# Altium PCB LimeKEY-RPCM_1v1.PcbDoc (part 3 of 8) (continued)
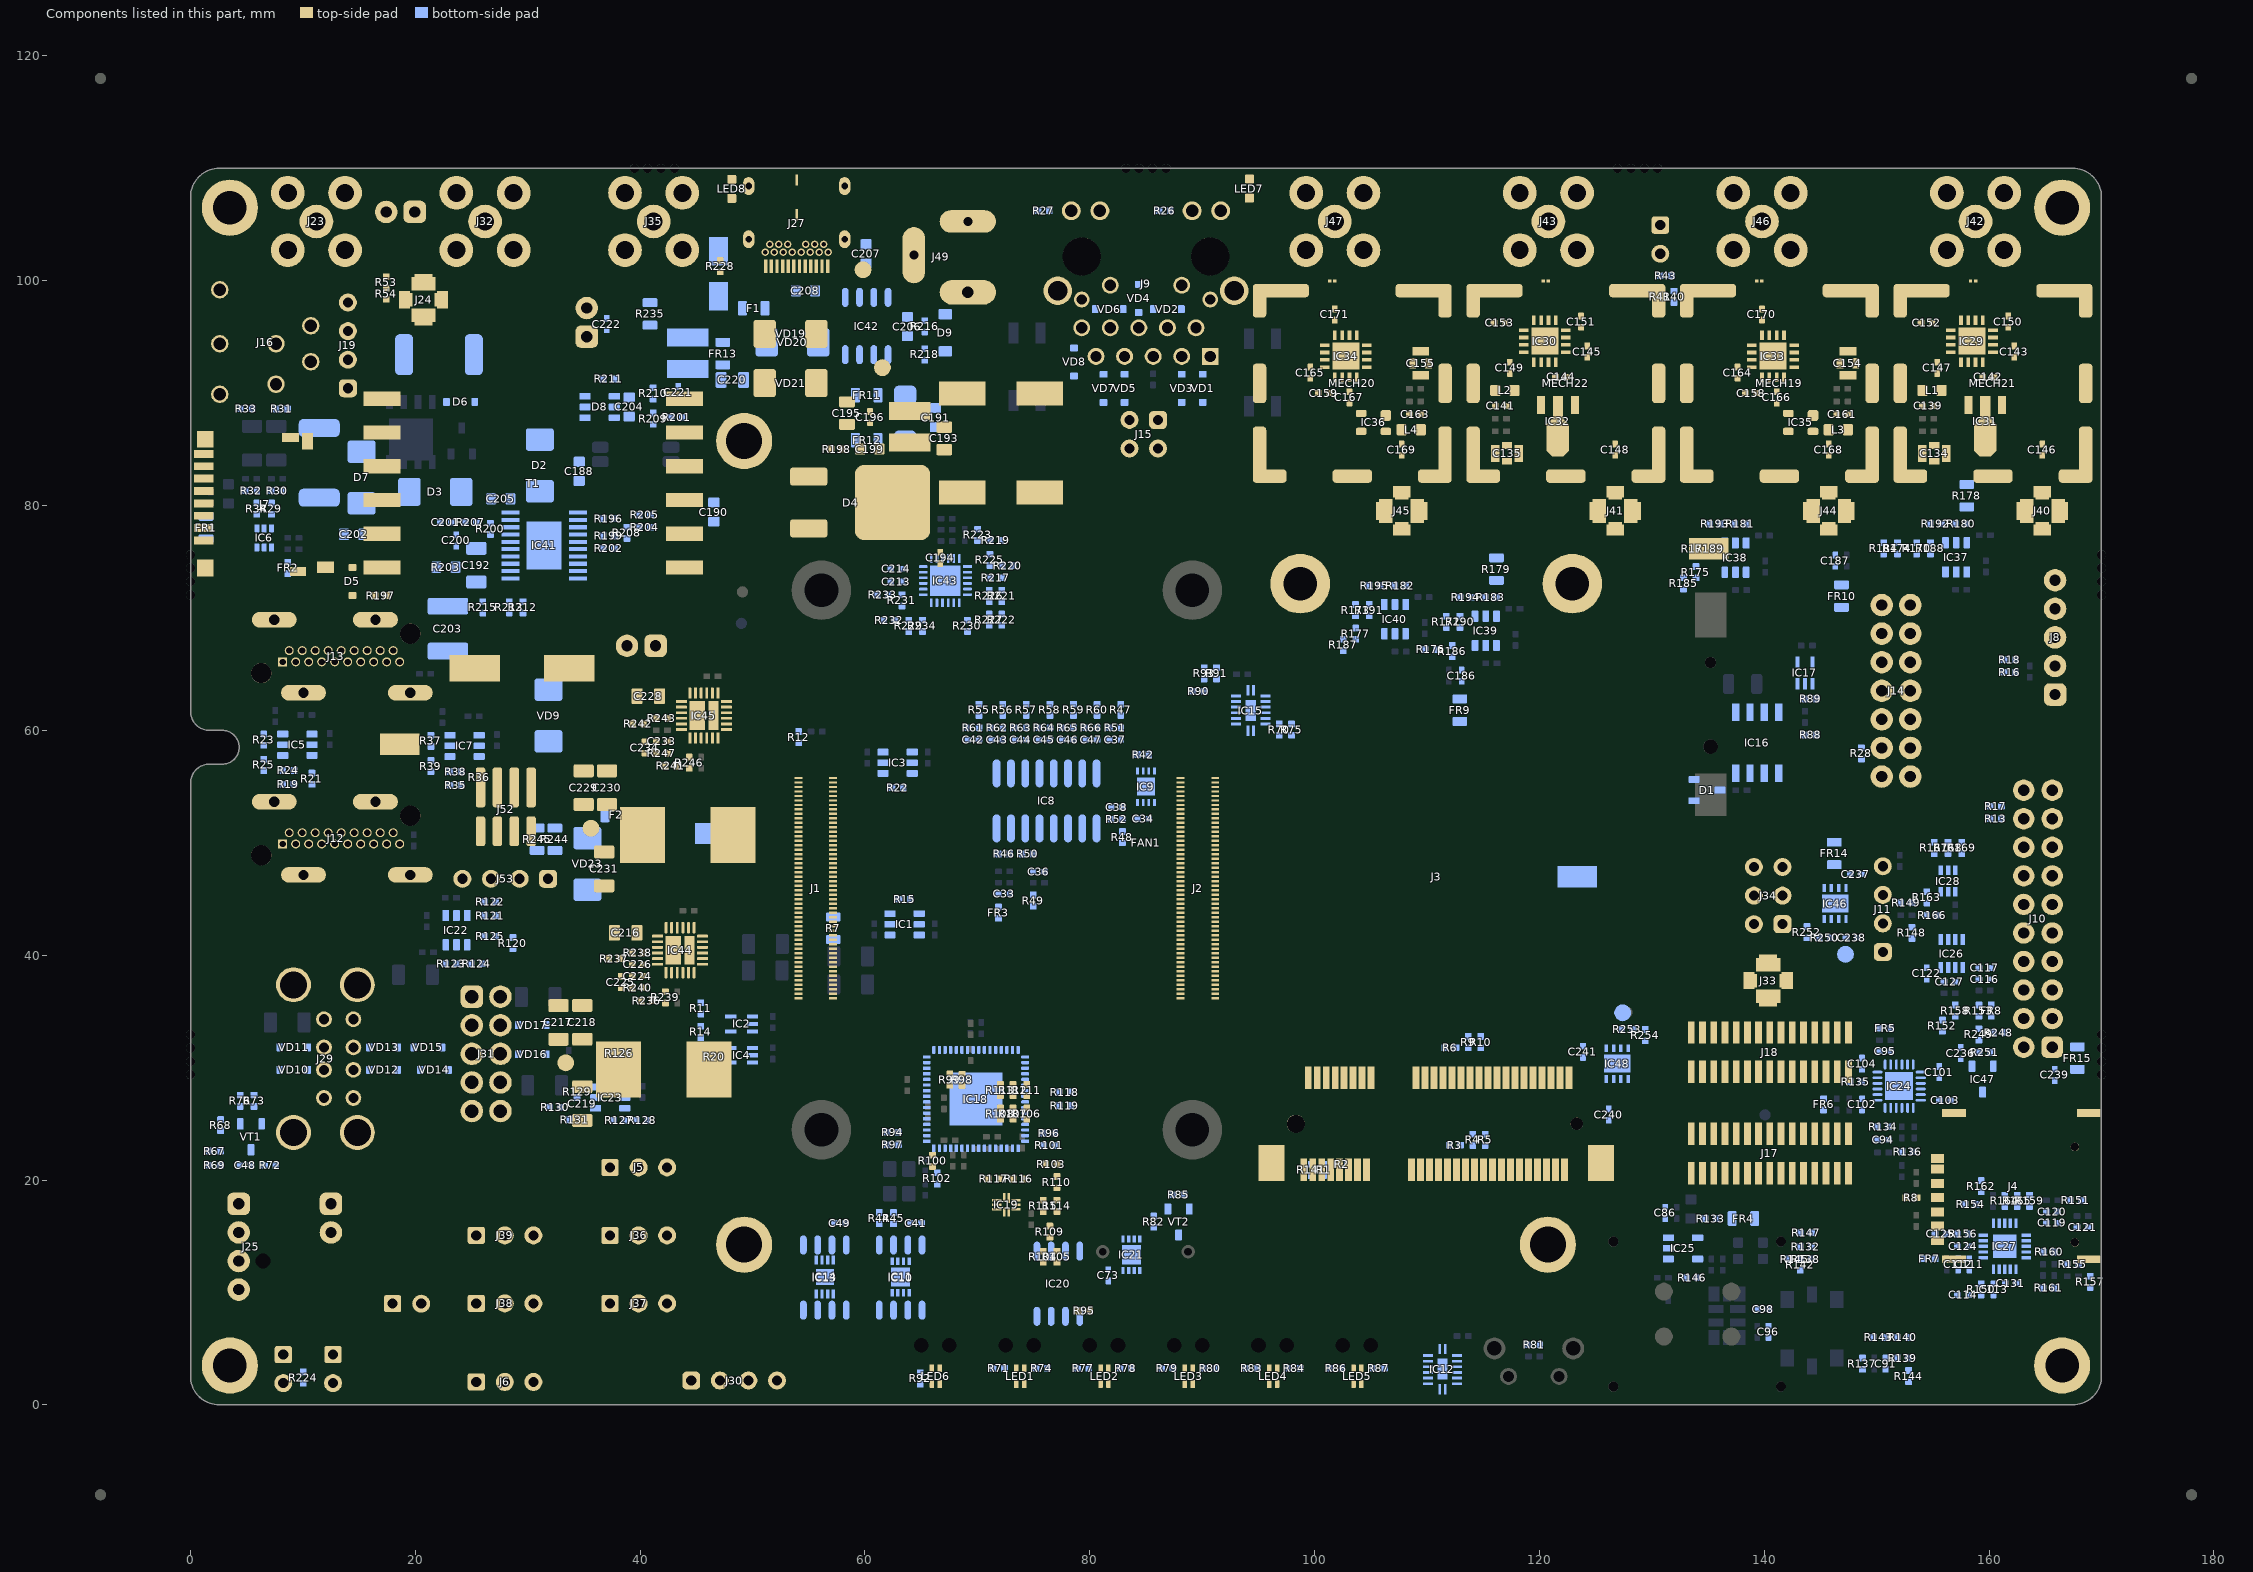
[diagram p7: the components of this part, seen from the top]
## Part data (continued)
C217 C218 C229 C230: library part Cap_1206, Manufacturer="Samsung Electro-Mechanics", Manufacturer Part Number=CL31A476MQHNNNE, Operating Temperature="-55°C ~ 85°C", Package / Case="1206 (3216 Metric)", Ratings=-, Supplier Part Number 1=1276-1167-1-ND, Temperature Coefficient=X5R, Tolerance=±20%, Voltage - Rated=6.3V, Applications="General Purpose", Category=Capacitors, Features=-, Height - Seated (Max)=-, Lead Spacing=-, Lead Style=-, Manufacturer Part Number 1=CL31A476MQHNNNE, Mounting Type="Surface Mount, MLCC", Notification="Current market demand for these product types have resulted in fluctuating and extending lead times. Lead times may differ.", Packaging="Cut Tape (CT)", Part Description="47µF ±20% 6.3V Ceramic Capacitor X5R 1206 (3216 Metric)", Part Status=Active, RoHS="RoHS Compliant", Size / Dimension="0.126\" L x 0.063\" W (3.20mm x 1.60mm)", Supplier 1=Digi-Key, Thickness (Max)="0.071\" (1.80mm)"
  C230: Assembly Info=NF
C219 C231: library part Cap_1206, Capacitance Tolerance="± 20%", Ceramic Capacitor Case="1206 [3216 Metric]", Manufacturer=MURATA, Manufacturer Part Number 1=GRM31CR60J107ME39L., Supplier Part Number 1=1735535, Voltage Rating=6.3, Assembly Info=NF, Part Description="SMD Multilayer Ceramic Capacitor, 1206 [3216 Metric], 100 µF, 6.3 V, ± 20%, X5R, GRM Series", Supplier 1=Farnell
C224: library part Cap_0402, Capacitance=4.7, Capacitance Tolerance="± 0.25", Ceramic Capacitor Case="0402 [1005 Metric]", Dielectric Characteristic="C0G / NP0", Manufacturer="Murata Electronics North America", Manufacturer Part Number 1=GRM1555C1H4R7CA01D, Operating Temperature Max=125, Operating Temperature Min=-55, Supplier Part Number 1=2434644, Voltage Rating=50, MSL="MSL 1 - Unlimited", Packaging="Cut Tape", Part Description="4.7pF ±0.25pF 50V C0G, NP0 Ceramic Capacitor -55°C ~ 125°C Surface Mount, MLCC 0402 (1005 Metric) 0.039\" L x 0.020\" W (1.00mm x 0.50mm)", Product Range="GRM Series", RoHS=YES, Supplier 1=Farnell, SVHC="No SVHC (15-Jun-2015"
C225 C234: library part Cap_0402, Capacitance=1200pF, Manufacturer=Kemet, Manufacturer Part Number 1=C0402C122J5GACTU, Operating Temperature="-55°C ~ 125°C", Package / Case="0402 (1005 Metric)", Ratings=-, Supplier Part Number 1=399-7334-1-ND, Temperature Coefficient="C0G, NP0", Tolerance=±5%, Voltage - Rated=50V, Applications="General Purpose", Category=Capacitors, Features=-, Height - Seated (Max)=-, Lead Spacing=-, Lead Style=-, Mounting Type="Surface Mount, MLCC", Packaging="Cut Tape (CT)", RoHS="RoHS Compliant", Size / Dimension="0.039\" L x 0.020\" W (1.00mm x 0.50mm)", Supplier 1=Digi-Key, Thickness (Max)="0.022\" (0.55mm)"
  C225: Part Description="1200pF ±5% 50V C0G, NP0 Ceramic Capacitor -55°C ~ 125°C Surface Mount, MLCC 0402 (1005 Metric) 0.039\" L x 0.020\" W (1.00mm x 0.50mm)"
  C234: Part Description="1200pF ±5% 50V Ceramic Capacitor C0G, NP0 0402 (1005 Metric)"
C233: library part Cap_0402, Capacitance=2.2pF, Manufacturer="Samsung Electro-Mechanics America, Inc.", Manufacturer Part Number 1=CL05C2R2CB5NNNC, Operating Temperature="-55°C ~ 125°C", Package / Case="0402 (1005 Metric)", Ratings=-, Supplier Part Number 1=1276-1271-1-ND, Temperature Coefficient="C0G, NP0", Tolerance=±0.25pF, Voltage - Rated=50V, Applications="General Purpose", Category=Capacitors, Features=-, Height - Seated (Max)=-, Lead Spacing=-, Lead Style=-, Mounting Type="Surface Mount, MLCC", Packaging="Cut Tape (CT)", Part Description="2.2pF ±0.25pF 50V Ceramic Capacitor C0G, NP0 0402 (1005 Metric)", RoHS="RoHS Compliant", Size / Dimension="0.039\" L x 0.020\" W (1.00mm x 0.50mm)", Supplier 1=Digi-Key, Thickness (Max)="0.022\" (0.55mm)"
C236: library part Cap_0603, Capacitance="0.1 uF", Case Code - in=0402, Case Code - mm=1005, Case Height="0.5 mm", Case Length="1 mm", Dielectric=X7R, Manufacturer="Murata Electronics", Manufacturer Part Number 1=GRM155R71C104KA88D, Maximum Operating Temperature="+ 125 C", Minimum Operating Temperature="- 55 C", Operating Temperature Range="- 55 C to + 125 C", Package / Case="0402 (1005 metric)", Supplier Part Number 1=81-GRM155R71C104KA88, Temperature Coefficient / Code="+/- 15 %", Tolerance="10 %", Voltage Rating DC="16 V", Assembly Info=NF, Brand="Murata Electronics", Case Width="0.5 mm", Category="Multilayer Ceramic Capacitors MLCC - SMD/SMT", Minimum Order Quantity=1, Packaging=Reel, Part Description="0.10µF ±10% 16V X7R Ceramic Capacitor -55°C ~ 125°C Surface Mount, MLCC 0402 (1005 Metric) 0.039\" L x 0.020\" W (1.00mm x 0.50mm)", Product="General Type MLCCs", Product Category="Low & Medium Capacitance SMD Ceramic Chip Capacitors", Reeling=True, RoHS="RoHS Compliant", RoHS - Mouser=Y, Series=GRM, Standard Pack Qty=10000, Supplier 1=Mouser, Termination Style=SMD/SMT, Type="General Purpose MLCC"
C237 C238 C239 C240 C241: library part Cap_0402, Capacitance=4.7µF, Manufacturer="Murata Electronics North America", Manufacturer Part Number 1=GRM155R60J475ME87D, Operating Temperature="-55°C ~ 85°C", Package / Case="0402 (1005 Metric)", Ratings=-, Supplier Part Number 1=490-5408-1-ND, Temperature Coefficient=X5R, Tolerance=±20%, Voltage - Rated=6.3V, Applications="General Purpose", Category=Capacitors, Features="Derating Recommended", Height - Seated (Max)=-, Lead Spacing=-, Lead Style=-, Mounting Type="Surface Mount, MLCC", Packaging="Cut Tape (CT)", Part Description="4.7µF ±20% 6.3V X5R Ceramic Capacitor -55°C ~ 85°C Surface Mount, MLCC 0402 (1005 Metric) 0.039\" L x 0.020\" W (1.00mm x 0.50mm)", RoHS="RoHS Compliant", Size / Dimension="0.039\" L x 0.020\" W (1.00mm x 0.50mm)", Supplier 1=Digi-Key, Thickness (Max)="0.022\" (0.55mm)"
  C239: Assembly Info=NF
D1: library part BAT54C_shottky_diode, Average Rectified Current=200mA, Case/Package=TO-236-3, Manufacturer=Comchip, Manufacturer Part Number 1=BAT54C-G, Max Power Dissipation=225mW, Max Reverse Voltage (DC)=30V, Package Quantity=1, Supplier Part Number 1=641-1320-1-ND, ComponentLink1Description=http://www.farnell.com/datasheets/1918741.pdf, ComponentLink1URL=http://www.farnell.com/datasheets/1918741.pdf, ComponentLink2Description=http://www.farnell.com/datasheets/2353871.pdf, ComponentLink2URL=http://www.farnell.com/datasheets/2353871.pdf, ComponentLink3Description=https://www.alliedelec.com/m/d/272158a697e3f24d20806a718aa29d59.pdf, ComponentLink3URL=https://www.alliedelec.com/m/d/272158a697e3f24d20806a718aa29d59.pdf, ComponentLink4Description=http://www.onsemi.com/pub/Collateral/BAT54SLT1-D.PDF, ComponentLink4URL=http://www.onsemi.com/pub/Collateral/BAT54SLT1-D.PDF, ComponentLink5Description=https://datasheet.ciiva.com/4717/bat54-9536-4717410.pdf?src-supplier=Mouser, ComponentLink5URL=https://datasheet.ciiva.com/4717/bat54-9536-4717410.pdf?src-supplier=Mouser, ComponentLink6Description=https://datasheet.ciiva.com/904/bat54-904630.pdf?src-supplier=Digi-Key, ComponentLink6URL=https://datasheet.ciiva.com/904/bat54-904630.pdf?src-supplier=Digi-Key, ComponentLink7Description=https://datasheet.ciiva.com/904/bat54-904631.pdf?src-supplier=Digi-Key, ComponentLink7URL=https://datasheet.ciiva.com/904/bat54-904631.pdf?src-supplier=Digi-Key, ComponentLink8Description=https://datasheet.ciiva.com/904/bat54-904632.pdf?src-supplier=Digi-Key, ComponentLink8URL=https://datasheet.ciiva.com/904/bat54-904632.pdf?src-supplier=Digi-Key, Element Configuration="Common Cathode", Mount="Surface Mount", Packaging="Tape and Reel", Part Description="Diode Array 1 Pair Common Cathode Schottky 30 V 200mA (DC) Surface Mount TO-236-3, SC-59, SOT-23-3", Pricing 1="1=0,23000, 10=0,18500, 100=0,09830, 500=0,06468, 1000=0,04399 (USD)", Recovery Time=5ns, Reverse Recovery Time=5ns, RoHS=Yes, Stock 1=764277, Supplier 1=Digi-Key
D2: library part MMSZ5245B_shottky_diode, Breakdown Voltage=111V, Case/Package=DO-214AA, Clamping Voltage=162V, Leakage Current=1uA, Manufacturer=Littelfuse, Max Operating Temperature=150°C, Max Surge Current=3.7A, Min Operating Temperature=-65°C, Operating Supply Voltage=100V, Package Quantity=3000, Peak Pulse Power=600W, Power Line Protection=No, Resistor Type=Zener, Supplier Part Number 1=SMBJ100ALFCT-ND, Test Current=1mA, ComponentLink1Description=http://www.mouser.com/ds/2/427/mmsz5225-102133.pdf, ComponentLink1URL=http://www.mouser.com/ds/2/427/mmsz5225-102133.pdf, ComponentLink2Description=https://datasheet.ciiva.com/331/littelfuse-tvs-diode-smbj-datasheet-pdf-331299.pdf?src-supplier=Digi-Key, ComponentLink2URL=https://datasheet.ciiva.com/331/littelfuse-tvs-diode-smbj-datasheet-pdf-331299.pdf?src-supplier=Digi-Key, ComponentLink3Description=https://datasheet.ciiva.com/331/littelfuse-tvs-diode-smbj-datasheet-pdf-331300.pdf?src-supplier=Digi-Key, ComponentLink3URL=https://datasheet.ciiva.com/331/littelfuse-tvs-diode-smbj-datasheet-pdf-331300.pdf?src-supplier=Digi-Key, ComponentLink4Description=https://datasheet.ciiva.com/331/littelfuse-tvs-diode-smbj-datasheet-pdf-331301.pdf?src-supplier=Digi-Key, ComponentLink4URL=https://datasheet.ciiva.com/331/littelfuse-tvs-diode-smbj-datasheet-pdf-331301.pdf?src-supplier=Digi-Key, Diode Type=ZENER, Height=2.44mm, Lead Free="Lead Free", Length=5.59mm, Manufacturer Part Number 1=SMBJ100A, Min Breakdown Voltage=111V, Mount="Surface Mount", Number of Channels=1, Number of Elements=1, Number of Pins=2, Number of Unidirectional Channels=1, Packaging="Tape and Reel", Part Description="ESD Suppressors / TVS Diodes 600W 100V 5% Uni-Directional", Peak Pulse Current=3.7A, Polarity=Unidirectional, Pricing 1="1=0,36000, 10=0,29300, 100=0,19970, 500=0,14980, 1000=0,11236 (USD)", Reverse Breakdown Voltage=111V, Reverse Standoff Voltage=100V, RoHS=Yes, RoHS Compliant=Yes, Series=SMBJ, Stock 1=13675, Supplier 1=Digi-Key, Termination=SMD/SMT, Voltage Rating (DC)=100V, Width=3.94mm
D3 D7: library part MURA120T3G_diode, Average Rectified Current=2A, Manufacturer=MCC, Max Reverse Voltage (DC)=200V, Package Quantity=3000, Supplier Part Number 1=353-ER2D-LTPCT-ND, ComponentLink1Description=http://www.mouser.com/ds/2/427/mmsz5225-102133.pdf, ComponentLink1URL=http://www.mouser.com/ds/2/427/mmsz5225-102133.pdf, ComponentLink2Description=http://www.onsemi.com/pub/Collateral/MMSD4148T1-D.PDF, ComponentLink2URL=http://www.onsemi.com/pub/Collateral/MMSD4148T1-D.PDF, ComponentLink3Description=http://www.farnell.com/datasheets/1707241.pdf, ComponentLink3URL=http://www.farnell.com/datasheets/1707241.pdf, ComponentLink4Description=https://www.verical.com/server-webapp/html/getDatasheet?partID=78734, ComponentLink4URL=https://www.verical.com/server-webapp/html/getDatasheet?partID=78734, ComponentLink5Description=http://www.onsemi.com/pub/Collateral/MURA115T3-D.PDF, ComponentLink5URL=http://www.onsemi.com/pub/Collateral/MURA115T3-D.PDF, ComponentLink6Description=http://www.jameco.com/Jameco/Products/ProdDS/1100812.pdf, ComponentLink6URL=http://www.jameco.com/Jameco/Products/ProdDS/1100812.pdf, ComponentLink7Description=http://uk.rs-online.com/webdocs/1221/0900766b812212fb.pdf, ComponentLink7URL=http://uk.rs-online.com/webdocs/1221/0900766b812212fb.pdf, ComponentLink8Description=http://www.farnell.com/datasheets/1750742.pdf, ComponentLink8URL=http://www.farnell.com/datasheets/1750742.pdf, ComponentLink9Description=https://datasheet.ciiva.com/6369/er2a-ler2j-ldo-214aa-6369821.pdf?src-supplier=Digi-Key, ComponentLink9URL=https://datasheet.ciiva.com/6369/er2a-ler2j-ldo-214aa-6369821.pdf?src-supplier=Digi-Key, Element Configuration=Single, Lead Free="Lead Free", Manufacturer Part Number 1=ER2D-LTP, Mount="Surface Mount", Packaging="Tape and Reel", Part Description="DIODE GEN PURP 200V 2A DO214AA", Pricing 1="1=0,45000, 10=0,33600, 100=0,20900, 500=0,14300, 1000=0,11000 (USD)", Reverse Recovery Time=35ns, RoHS=Yes, RoHS Compliant=Yes, Series=-, Stock 1=4206, Supplier 1=Digi-Key
D4: library part 12CWQ06FN_diode_array, Manufacturer="Sangdest Microelectronics", Supplier Part Number 1=1655-12CWQ06FNCT-ND, Manufacturer Part Number 1=12CWQ06FN, Part Description="Diode Array 1 Pair Common Cathode Schottky 60 V Surface Mount TO-252-3, DPak (2 Leads + Tab), SC-63", Pricing 1="1=0,70000, 10=0,61700, 100=0,47270, 500=0,37364, 1000=0,29892 (USD)", RoHS=No, Stock 1=56408, Supplier 1=Digi-Key
D5 D6: library part MURA120T3G_diode, Manufacturer=Nexperia, Manufacturer Part Number 1=BAS316,115, Supplier Part Number 1=1727-4309-1-ND, ComponentLink1Description=http://www.mouser.com/ds/2/427/mmsz5225-102133.pdf, ComponentLink1URL=http://www.mouser.com/ds/2/427/mmsz5225-102133.pdf, ComponentLink2Description=http://www.onsemi.com/pub/Collateral/MMSD4148T1-D.PDF, ComponentLink2URL=http://www.onsemi.com/pub/Collateral/MMSD4148T1-D.PDF, ComponentLink3Description=http://www.farnell.com/datasheets/1707241.pdf, ComponentLink3URL=http://www.farnell.com/datasheets/1707241.pdf, ComponentLink4Description=https://www.verical.com/server-webapp/html/getDatasheet?partID=78734, ComponentLink4URL=https://www.verical.com/server-webapp/html/getDatasheet?partID=78734, ComponentLink5Description=http://www.onsemi.com/pub/Collateral/MURA115T3-D.PDF, ComponentLink5URL=http://www.onsemi.com/pub/Collateral/MURA115T3-D.PDF, ComponentLink6Description=http://www.jameco.com/Jameco/Products/ProdDS/1100812.pdf, ComponentLink6URL=http://www.jameco.com/Jameco/Products/ProdDS/1100812.pdf, ComponentLink7Description=http://uk.rs-online.com/webdocs/1221/0900766b812212fb.pdf, ComponentLink7URL=http://uk.rs-online.com/webdocs/1221/0900766b812212fb.pdf, ComponentLink8Description=http://www.farnell.com/datasheets/1750742.pdf, ComponentLink8URL=http://www.farnell.com/datasheets/1750742.pdf, ComponentLink9Description=http://www.farnell.com/datasheets/1856332.pdf?src-supplier=Farnell, ComponentLink9URL=http://www.farnell.com/datasheets/1856332.pdf?src-supplier=Farnell, ComponentLink10Description=https://assets.nexperia.com/documents/data-sheet/BAS16_SER.pdf?src-supplier=Digi-Key, ComponentLink10URL=https://assets.nexperia.com/documents/data-sheet/BAS16_SER.pdf?src-supplier=Digi-Key, ComponentLink11Description=http://www.farnell.com/datasheets/1856332.pdf?src-supplier=Newark, ComponentLink11URL=http://www.farnell.com/datasheets/1856332.pdf?src-supplier=Newark, Part Description="DIODE GEN PURP 100V 250MA SOD323", Pricing 1="1=0,16000, 10=0,14200, 100=0,07710, 500=0,04744, 1000=0,03234 (USD)", RoHS=Yes, RoHS Compliant=Yes, Stock 1=163548, Supplier 1=Digi-Key
D8: library part NCP431AVSNT1GOSCT_VREF, Case/Package=SOT-23-3, Cathode Current=60uA, Manufacturer="ON Semiconductor", Max Input Voltage=2.525V, Max Operating Temperature=125°C, Max Output Current=100mA, Max Output Voltage=36V, Min Input Voltage=2.475V, Min Operating Temperature=-40°C, Min Output Voltage=2.5V, Package Quantity=3000, Supplier Part Number 1=NCP431AVSNT1GOSCT-ND, Temperature Coefficient=50ppm/°C, Tolerance=1%, ComponentLink1Description=https://datasheet.ciiva.com/8132/ncp431-d-8132432.pdf?src-supplier=Avnet, ComponentLink1URL=https://datasheet.ciiva.com/8132/ncp431-d-8132432.pdf?src-supplier=Avnet, ComponentLink2Description=https://datasheet.ciiva.com/30476/0900766b8121bbe3-30476322.pdf?src-supplier=RSComponents, ComponentLink2URL=https://datasheet.ciiva.com/30476/0900766b8121bbe3-30476322.pdf?src-supplier=RSComponents, ComponentLink3Description=https://datasheet.ciiva.com/49020/70300496-49020892.pdf?src-supplier=Allied+Electronics, ComponentLink3URL=https://datasheet.ciiva.com/49020/70300496-49020892.pdf?src-supplier=Allied+Electronics, Halogen Free="Halogen Free", Height=1.01mm, Lead Free="Lead Free", Length=3.04mm, Manufacturer Part Number 1=NCP431AVSNT1G, Number of Pins=3, Output Current=100mA, Output Type=Adjustable, Output Voltage=36V, Packaging="Tape and Reel", Part Description="Shunt Voltage Reference IC Adjustable 2.5V 36 VV ±1% 100 mA SOT-23-3 (TO-236)", Pricing 1="1=0,44000, 10=0,35700, 25=0,32640, 100=0,24290, 250=0,22008, 500=0,18216, 1000=0,13661 (USD)", Radiation Hardening=No, REACH SVHC="No SVHC", Reference Type=Shunt,Adjustable,Programmable, Reference Voltage=2.5V, RoHS=Yes, Stock 1=4600, Supplier 1=Digi-Key, Width=1.4mm
D9: library part MMSZ5245B_shottky_diode, Manufacturer=Nexperia, Manufacturer Part Number 1=NZH10C,115, Supplier Part Number 1=1727-5057-1-ND, ComponentLink1Description=http://www.mouser.com/ds/2/427/mmsz5225-102133.pdf, ComponentLink1URL=http://www.mouser.com/ds/2/427/mmsz5225-102133.pdf, ComponentLink2Description=https://datasheet.ciiva.com/331/littelfuse-tvs-diode-smbj-datasheet-pdf-331299.pdf?src-supplier=Digi-Key, ComponentLink2URL=https://datasheet.ciiva.com/331/littelfuse-tvs-diode-smbj-datasheet-pdf-331299.pdf?src-supplier=Digi-Key, ComponentLink3Description=https://datasheet.ciiva.com/331/littelfuse-tvs-diode-smbj-datasheet-pdf-331300.pdf?src-supplier=Digi-Key, ComponentLink3URL=https://datasheet.ciiva.com/331/littelfuse-tvs-diode-smbj-datasheet-pdf-331300.pdf?src-supplier=Digi-Key, ComponentLink4Description=https://datasheet.ciiva.com/331/littelfuse-tvs-diode-smbj-datasheet-pdf-331301.pdf?src-supplier=Digi-Key, ComponentLink4URL=https://datasheet.ciiva.com/331/littelfuse-tvs-diode-smbj-datasheet-pdf-331301.pdf?src-supplier=Digi-Key, ComponentLink5Description=http://www.farnell.com/datasheets/1508365.pdf?src-supplier=Farnell, ComponentLink5URL=http://www.farnell.com/datasheets/1508365.pdf?src-supplier=Farnell, Part Description="DIODE ZENER 10V 500MW SOD123F", Pricing 1="1=0,27000, 10=0,22200, 100=0,11780, 500=0,07752, 1000=0,05271 (USD)", RoHS=Yes, RoHS Compliant=Yes, Stock 1=6768, Supplier 1=Digi-Key
ESD1 ESD2 ESD3 ESD4: Capacitance @ Frequency="0.2pF @ 1MHz", Current - Peak Pulse (10/1000µs)="3A (8/20µs)", Manufacturer="ON Semiconductor", Manufacturer Part Number 1=ESD8472MUT5G, Operating Temperature="-55°C ~ 150°C (TJ)", Package / Case=2-XFDFN, Power - Peak Pulse=-, Power Line Protection=No, Supplier Device Package="2-X3DFN (0.62x0.32)", Supplier Part Number 1=ESD8472MUT5GOSCT-ND, Voltage - Breakdown (Min)=7V, Voltage - Clamping (Max) @ Ipp=14V, Voltage - Reverse Standoff (Typ)="5.3V (Max)", Applications="Automotive, RF Antenna", Assembly Info=NF, Category="Circuit Protection", ComponentLink1Description=http://www.onsemi.com/pub/Collateral/ESD8472-D.PDF, ComponentLink1URL=http://www.onsemi.com/pub/Collateral/ESD8472-D.PDF, Mounting Type="Surface Mount", Packaging="Cut Tape (CT)", Part Description="TVS DIODE 5.3VWM 14VC X3DFN2", Part Status=Active, Pricing 1="1=0.39, 10=0.315, 100=0.2142, 500=0.16068, 1000=0.12051 (USD)", RoHS="RoHS Compliant", Stock 1=2295, Supplier 1=Digi-Key, Type=Zener
F1 F2 R7 R178 R179 R235: library part Res_0402, Manufacturer="Vishay Dale", Manufacturer Part Number 1=CRCW08050000Z0EA, Operating Temperature="-55°C ~ 155°C", Package / Case="0805 (2012 Metric)", Power (Watts)="0.125W, 1/8W", Resistance (Ohms)=0.0, Supplier Part Number 1=541-0.0ATR-ND, Temperature Coefficient=-, Tolerance=Jumper, Category=Resistors, Composition="Thick Film", Features="Automotive AEC-Q200", Height="0.020\" (0.50mm)", Number of Terminations=2, Packaging="Tape & Reel (TR)", Part Description="RES SMD 0.0 OHM JUMPER 1/8W 0805", RoHS="RoHS Compliant", Size / Dimension="0.079\" L x 0.049\" W (2.00mm x 1.25mm)", Supplier 1=Digi-Key, Supplier Device Package="0805 (2012 Metric)"
  R7 R178 R179: Assembly Info=NF
FAN1: library part 12V_DC_FAN, Case/Package=Axial, Current Rating=163mA, Flammability Rating="UL94 V-0", Manufacturer=Sunon, Manufacturer Part Number 1=ME80151V1-000U-A99, Max Operating Temperature=158°C, Max Power Dissipation=1.96W, Min Operating Temperature=14°C, Package Quantity=30, Supplier Part Number 1=259-1649-ND, Airflow=37CFM, Approvals=UL,CE,TUV, Bearing Type=Vapo-Bearing, ComponentLink1Description=https://datasheet.ciiva.com/18514/me8015-u-18514537.pdf?src-supplier=Digi-Key, ComponentLink1URL=https://datasheet.ciiva.com/18514/me8015-u-18514537.pdf?src-supplier=Digi-Key, Housing Material=Thermoplastic, Noise=34.7dBA, Part Description="Fan Tubeaxial 12VDC Square - 80mm L x 80mm H Vapo-Bearing™ 37.0 CFM (1.04m³/min) 2 Wire Leads", Pricing 1="1=6,90000, 10=6,66700, 25=6,47400, 50=6,08860, 100=5,47200, 250=5,39488, 500=5,04808 (USD)", RoHS=Yes, RPM=3000RPM, Stock 1=1611, Supplier 1=Digi-Key, Termination="2 Wire Leads", Weight=0.15lb, Width=15mm
FR1 FR4 FR9 FR10 FR11 FR12 FR13 FR14 FR15: library part Ferrite, Current Rating=2A, DC Resistance (DCR)="100 mOhm Max", Impedance @ Frequency="600 Ohm @ 100MHz", Manufacturer="TDK Corporation", Manufacturer Part Number 1=MPZ2012S601AT000, Package / Case="0805 (2012 Metric)", Supplier Part Number 1=445-2206-2-ND, Category=Filters, Filter Type="Differential Mode - Single", Height (Max)="0.041\" (1.05mm)", Mounting Type="Surface Mount", Packaging="Tape & Reel (TR)", Part Description="FERRITE BEAD 600 OHM 0805 1LN", RoHS="RoHS Compliant", Size / Dimension="0.079\" L x 0.049\" W (2.00mm x 1.25mm)", Supplier 1=Digi-Key
  FR13 FR15: Assembly Info=NF
FR2 FR3 FR5 FR6 FR7 FR8: library part Ferrite, Case/Package=0402, Case Code (Metric)=1005, Current Rating=500mA, DC Resistance (DCR)=340mR, Manufacturer=Murata, Manufacturer Part Number 1=BLM15AX601SN1D, Max Operating Temperature=125°C, Min Operating Temperature=-55°C, Package Quantity=1, Supplier Part Number 1=490-5441-1-ND, Test Frequency=100MHz, Tolerance=25%, Case Code (Imperial)=0402, ComponentLink1Description=https://www.murata.com/en-us/products/productdata/8796740059166/ENFA0018.pdf?src-supplier=Digi-Key, ComponentLink1URL=https://www.murata.com/en-us/products/productdata/8796740059166/ENFA0018.pdf?src-supplier=Digi-Key, ComponentLink2Description=http://search.murata.co.jp/Ceramy/image/img/PDF/ENG/L0110S0100BLM15AX_SN.pdf?src-supplier=Future+Electronics, ComponentLink2URL=http://search.murata.co.jp/Ceramy/image/img/PDF/ENG/L0110S0100BLM15AX_SN.pdf?src-supplier=Future+Electronics, ComponentLink3Description=http://www.produktinfo.conrad.com/datenblaetter/1100000-1199999/001171675-da-01-en-CHIP_DROSSEL0402_600R_420MA_1_0X0_5MM.pdf?src-supplier=Conrad, ComponentLink3URL=http://www.produktinfo.conrad.com/datenblaetter/1100000-1199999/001171675-da-01-en-CHIP_DROSSEL0402_600R_420MA_1_0X0_5MM.pdf?src-supplier=Conrad, ComponentLink4Description=http://www.produktinfo.conrad.com/datenblaetter/1100000-1199999/001172169-da-01-en-DROSSEL_0402_600R_1_0X0_5MM_10000ST.pdf?src-supplier=Conrad, ComponentLink4URL=http://www.produktinfo.conrad.com/datenblaetter/1100000-1199999/001172169-da-01-en-DROSSEL_0402_600R_1_0X0_5MM_10000ST.pdf?src-supplier=Conrad, Core Material=Ferrite, DC Resistance-Max=340mR, Depth=0.5mm, Height=0.5mm, Impedance=600R, Lead Free="Lead Free", Length=1mm, Material=Steel,Ferrite, Max Current Rating=500mA, Max DC Current=500mA, Number of Circuits=1, Number of Lines=1, Number of Pins=2, Packaging="Tape and Reel", Part Description="- Ferrite Bead 0402 (1005 Metric) 500mA 340mOhm", Pricing 1="1=0.1, 10=0.06, 25=0.0552, 50=0.0496, 100=0.0363, 250=0.0264, 500=0.0242, 1000=0.0209, 5000=0.0165 (USD)", REACH SVHC="No SVHC", RoHS Compliant=Yes, Series=BLM15AX_SN, Stock 1=416370, Supplier 1=Digi-Key, Termination=SMD/SMT, Width=0.5mm
IC1 IC3: Case/Package=SOT-23-6, Manufacturer="Texas Instruments", Manufacturer Part Number 1=SN74AXC1T45DBVR, Max Operating Temperature=125°C, Min Operating Temperature=-40°C, Supplier Part Number 1=296-47598-1-ND, Channel Type=Bidirectional, ComponentLink1Description=http://www.ti.com/lit/ds/symlink/sn74axc1t45.pdf?src-supplier=Digi-Key, ComponentLink1URL=http://www.ti.com/lit/ds/symlink/sn74axc1t45.pdf?src-supplier=Digi-Key, ComponentLink2Description=http://www.ti.com/general/docs/suppproductinfo.tsp?distId=10&amp;gotoUrl=http%3A%2F%2Fwww.ti.com%2Flit%2Fgpn%2Fsn74axc1t45&src-supplier=Digi-Key, ComponentLink2URL=http://www.ti.com/general/docs/suppproductinfo.tsp?distId=10&amp;gotoUrl=http%3A%2F%2Fwww.ti.com%2Flit%2Fgpn%2Fsn74axc1t45&src-supplier=Digi-Key, Data Rate=500Mbps, Mount="Surface Mount", Number of Bits=1, Number of Circuits=1, Packaging="Cut Tape", Part Description="Voltage Level Translator Bidirectional 1 Circuit 1 Channel 500Mbps SOT-23-6", Pricing 1="1=0,68000, 10=0,59800, 25=0,56200, 100=0,45860, 250=0,42596, 500=0,36252, 1000=0,29002 (USD)", RoHS=Yes, RoHS Compliant=Yes, Stock 1=116252, Supplier 1=Digi-Key
IC2 IC4 IC17: library part 74AHCT1G126SE-7_BUFFER_NON_INV, Manufacturer=Diodes, Supplier Part Number 1=621-74LVC1G34QSE-7, ComponentLink1Description=https://datasheet.ciiva.com/12256/74ahct1g126-80154-12256741.pdf?src-supplier=Mouser, ComponentLink1URL=https://datasheet.ciiva.com/12256/74ahct1g126-80154-12256741.pdf?src-supplier=Mouser, ComponentLink2Description=https://datasheet.ciiva.com/26949/getdatasheetpartid-792439-26949318.pdf?src-supplier=Verical, ComponentLink2URL=https://datasheet.ciiva.com/26949/getdatasheetpartid-792439-26949318.pdf?src-supplier=Verical, ComponentLink3Description=https://datasheet.ciiva.com/1832/74ahct1g126-1832523.pdf?src-supplier=Digi-Key, ComponentLink3URL=https://datasheet.ciiva.com/1832/74ahct1g126-1832523.pdf?src-supplier=Digi-Key, ComponentLink4Description=https://datasheet.ciiva.com/1832/74ahct1g126-1832524.pdf?src-supplier=Digi-Key, ComponentLink4URL=https://datasheet.ciiva.com/1832/74ahct1g126-1832524.pdf?src-supplier=Digi-Key, ComponentLink5Description=https://datasheet.ciiva.com/1154/74ahct1g126-1154309.pdf?src-supplier=Element14, ComponentLink5URL=https://datasheet.ciiva.com/1154/74ahct1g126-1154309.pdf?src-supplier=Element14, ComponentLink6Description=https://datasheet.ciiva.com/26939/getdatasheetpartid-779272-26939183.pdf?src-supplier=Verical, ComponentLink6URL=https://datasheet.ciiva.com/26939/getdatasheetpartid-779272-26939183.pdf?src-supplier=Verical, Manufacturer Part Number 1=74LVC1G34QSE-7, Part Description="Buffers & Line Drivers Logic LVC 1 Gate SOT353 T&R 3K", Pricing 1="1=0,45000, 10=0,33900, 50=0,33900, 100=0,17800, 1000=0,11200, 10000=0,09400 (USD)", RoHS=Yes, Stock 1=1171, Supplier 1=Mouser
IC5 IC7 IC22 IC23 IC37 IC38 IC39 IC40: library part MIC2033_power_switch, Case/Package=SOT-23-6, Manufacturer=Microchip, Manufacturer Part Number 1=MIC2039EYM6-TR, Max Operating Temperature=125°C, Max Output Current=2.5A, Min Operating Temperature=-40°C, Package Quantity=3000, Supplier Part Number 1=576-4193-1-ND, ComponentLink1Description=http://www.mouser.com/ds/2/268/mic2033-b-1076865.pdf?src-supplier=Mouser, ComponentLink1URL=http://www.mouser.com/ds/2/268/mic2033-b-1076865.pdf?src-supplier=Mouser, ComponentLink2Description=http://components.arrow.com/part/dataview/56727820S413982N1374?src-supplier=Arrow+Electronics, ComponentLink2URL=http://components.arrow.com/part/dataview/56727820S413982N1374?src-supplier=Arrow+Electronics, ComponentLink3Description=http://www.microchip.com/mymicrochip/filehandler.aspx?ddocname=en579457&src-supplier=Digi-Key, ComponentLink3URL=http://www.microchip.com/mymicrochip/filehandler.aspx?ddocname=en579457&src-supplier=Digi-Key, ComponentLink4Description=https://datasheet.ciiva.com/6607/mic2039-6607725.pdf?src-supplier=Digi-Key, ComponentLink4URL=https://datasheet.ciiva.com/6607/mic2039-6607725.pdf?src-supplier=Digi-Key, Fault Protection="Over Temperature", Interface=On/Off, Number of Outputs=1, Output Configuration="High Side", Packaging="Tape and Reel", Part Description="Power Switch/Driver 1:1 P-Channel 2.5A SOT-23-6", Pricing 1="1=0,98000, 25=0,80560, 100=0,75000 (USD)", RoHS=No, Series=-, Stock 1=37195, Supplier 1=Digi-Key
IC6: library part NC7WZ16P6X_DUAL_BUFFER, Manufacturer=Nexperia, Manufacturer Part Number 1=74LVC2G34GW,125, Supplier Part Number 1=1727-4219-1-ND, ComponentLink1Description=https://assets.nexperia.com/documents/data-sheet/74LVC2G34.pdf?src-supplier=Digi-Key, ComponentLink1URL=https://assets.nexperia.com/documents/data-sheet/74LVC2G34.pdf?src-supplier=Digi-Key, Part Description="Buffer, Non-Inverting 2 Element 1 Bit per Element Push-Pull Output 6-TSSOP", Pricing 1="1=0,430000, 10=0,321000, 25=0,281200, 100=0,182000, 250=0,150640, 500=0,120520, 1000=0,092400 (USD)", RoHS=Yes, RoHS Compliant=Yes, Stock 1=2900, Supplier 1=Digi-Key
IC8: library part MCP3208-CI/SL, "2.7V 4-Channel/8-Channel 12-Bit A/D Converters with SPI Serial Interface, 16-Pin SOIC 150mil, C Performance Grade, Industrial Temperature", Manufacturer=Microchip, Manufacturer Part Number 1=MCP3208T-CI/SL, Supplier Part Number 1=MCP3208T-CI/SLCT-ND, Mounting Technology="Surface Mount", PackageDescription="16-Lead Plastic Small Outline (SL) - Narrow, 3.90mm Body [SOIC]", PackageReference=SOIC-SL16, PackageVersion="revBB, Aug-2009", Part Description="12 Bit Analog to Digital Converter 4, 8 Input 1 SAR 16-SOIC", PartNumber=MCP3208-CI/SL, Supplier 1=Digi-Key
IC9: Manufacturer="NXP Semiconductors", Manufacturer Part Number 1=LM75BTP,147, Operating Temperature="-55°C ~ 125°C", Package / Case="8-WFDFN Exposed Pad", Sensing Temperature - Remote=-, Supplier Device Package="8-HWSON (2x3)", Supplier Part Number 1=568-9815-2-ND, Voltage - Supply="2.8 V ~ 5.5 V", Accuracy - Highest (Lowest)="±2°C (±3°C)", Category="Sensors, Transducers", Features="Output Switch, Programmable Limit, Shutdown Mode", Output Type=I²C, Packaging="Tape & Reel (TR)", Part Description="SENSOR TEMPERATURE I2C 8HWSON", Resolution="10 b", RoHS="RoHS Compliant", Sensing Temperature - Local="-55°C ~ 125°C", Sensor Type="Digital, Local", Supplier 1=Digi-Key, Test Condition="-25°C ~ 100°C (-55°C ~ 125°C)"
IC10: library part 24FC64F, Base Part Number=CAT24C128, Manufacturer="ON Semiconductor", Operating Temperature="-40°C ~ 85°C (TA)", Package / Case="8-SOIC (0.154\", 3.90mm Width)", Supplier Device Package=8-SOIC, Supplier Part Number 1=CAT24C128WI-GT3CT-ND, Voltage - Supply="1.8 V ~ 5.5 V", Category="Integrated Circuits (ICs)", ComponentLink1Description=http://www.onsemi.com/pub/Collateral/CAT24C128-D.PDF, ComponentLink1URL=http://www.onsemi.com/pub/Collateral/CAT24C128-D.PDF, Manufacturer Part Number 1=CAT24C128WI-GT3, Memory Format=EEPROM, Memory Interface=I²C, Memory Size="128Kb (16K x 8)", Memory Type=Non-Volatile, Mounting Type="Surface Mount", Packaging="Cut Tape (CT)", Part Description="EEPROM Memory IC 128Kb (16K x 8) I²C 1MHz 400ns 8-SOIC", Part Status=Active, Pricing 1="1=0.31, 10=0.309, 100=0.2532, 500=0.24616, 1000=0.23956 (USD)", RoHS="RoHS Compliant", Stock 1=14804, Supplier 1=Digi-Key, Technology=EEPROM, Write Cycle Time - Word, Page=5ms
IC11: library part M24128-DFMC6TG, Manufacturer=STMicroelectronics, Operating Temperature="-40°C ~ 85°C (TA)", Package / Case="8-UFDFN Exposed Pad", Supplier Device Package="8-UFDFPN (2x3)", Supplier Part Number 1=497-15739-1-ND, Voltage - Supply="1.7 V ~ 5.5 V", Assembly Info=NF, Category="Integrated Circuits (ICs)", ComponentLink1Description=http://www.st.com/content/ccc/resource/technical/document/datasheet/59/05/c9/5b/7b/41/48/b6/CD00259167.pdf/files/CD00259167.pdf/jcr:content/translations/en.CD00259167.pdf, ComponentLink1URL=http://www.st.com/content/ccc/resource/technical/document/datasheet/59/05/c9/5b/7b/41/48/b6/CD00259167.pdf/files/CD00259167.pdf/jcr:content/translations/en.CD00259167.pdf, Manufacturer Part Number 1=M24128-DFMC6TG, Memory Format=EEPROM, Memory Interface=I²C, Memory Size="128Kb (16K x 8)", Memory Type=Non-Volatile, Mounting Type="Surface Mount", Packaging="Cut Tape (CT)", Part Description="EEPROM Memory IC 128Kb (16K x 8) I²C 1MHz 450ns 8-UFDFPN (2x3)", Part Status=Active, Pricing 1="1=0.35, 10=0.348, 100=0.2854, 500=0.27748, 1000=0.27004 (USD)", RoHS="RoHS Compliant", Stock 1=5894, Supplier 1=Digi-Key, Technology=EEPROM, Write Cycle Time - Word, Page=5ms
IC12 IC15: library part 74HC595BQ,115, Manufacturer="Nexperia USA Inc.", Manufacturer Part Number 1=74AHC595BQ,115, Operating Temperature="-40°C ~ 125°C", Package / Case="16-VFQFN Exposed Pad", Supplier Device Package="16-DHVQFN (2.5x3.5)", Supplier Part Number 1=1727-6021-2-ND, Voltage - Supply="2 V ~ 5.5 V", Base Part Number=74AHC595, Category="Integrated Circuits (ICs)", ComponentLink1Description=https://assets.nexperia.com/documents/data-sheet/74AHC_AHCT595.pdf, ComponentLink1URL=https://assets.nexperia.com/documents/data-sheet/74AHC_AHCT595.pdf, Function="Serial to Parallel, Serial", Logic Type="Shift Register", Mounting Type="Surface Mount", Output Type=Tri-State, Packaging="Tape & Reel (TR)", Part Description="C 8BIT SHIFT REGISTER 16-DHVQFN", Part Status=Active, Pricing 1="3000=0.17949, 6000=0.16791, 15000=0.15633, 30000=0.14822 (USD)", RoHS="RoHS Compliant", Stock 1=24000, Supplier 1=Digi-Key
IC13: library part ATECC508A_authentication_IC, Base Part Number=ATECC508, Manufacturer="Microchip Technology", Manufacturer Part Number 1=ATECC508A-SSHDA-T, Package / Case="8-SOIC (0.154\", 3.90mm Width)", Supplier Device Package=8-SOIC, Supplier Part Number 1=ATECC508A-SSHDA-TCT-ND, Applications="Networking and Communications", Assembly Info=NF, Category="Integrated Circuits (ICs)", Mounting Type="Surface Mount", Packaging="Cut Tape (CT)", Part Description="Authentication Chip IC Networking and Communications 8-SOIC", Part Status=Active, RoHS="RoHS Compliant", Supplier 1=Digi-Key, Type="Authentication Chip"
IC14: library part ATECC508A_authentication_IC, Manufacturer=Microchip, Manufacturer Part Number 1=ATECC508A-MAHDA-S, Supplier Part Number 1=ATECC508A-MAHDA-SDKR-ND, Part Description="Authentication Chip IC Networking and Communications 8-UDFN (2x3)", Pricing 1="1=0.73, 25=0.7064 (USD)", Stock 1=27941, Supplier 1=Digi-Key
IC16: library part PCF85063AT_RTC_CALENDAR, Case/Package=TSSOP, Manufacturer="NXP Semiconductors", Manufacturer Part Number=PCF85063ATT/AJ, Max Operating Temperature=85°C, Max Supply Voltage=5.5V, Min Operating Temperature=-40°C, Min Supply Voltage=900mV, Supplier Part Number 1=568-12404-1-ND, ComponentLink1Description=http://www.farnell.com/datasheets/2014362.pdf?src-supplier=Farnell, ComponentLink1URL=http://www.farnell.com/datasheets/2014362.pdf?src-supplier=Farnell, ComponentLink2Description=https://www.nxp.com/docs/en/data-sheet/PCF85063A.pdf?src-supplier=Digi-Key, ComponentLink2URL=https://www.nxp.com/docs/en/data-sheet/PCF85063A.pdf?src-supplier=Digi-Key, ComponentLink3Description=http://www.nxp.com/documents/data_sheet/PCF85063A.pdf?src-supplier=Avnet, ComponentLink3URL=http://www.nxp.com/documents/data_sheet/PCF85063A.pdf?src-supplier=Avnet, Contact Plating=Gold, Date Format=YY-MM-DD-dd, Interface=I2C,Serial,2-Wire, Lead Free="Lead Free", Logic Function=Clock, Manufacturer Part Number 1=PCF85063ATT/AJ, Mount="Surface Mount", Number of Pins=8, Packaging="Tape and Reel", Part Description="Real Time Clock (RTC) IC Clock/Calendar - I²C, 2-Wire Serial 8-SOIC (0.154\", 3.90mm Width)", Pricing 1="1=1,06000, 10=0,94800, 25=0,89920, 100=0,73870, 250=0,69056, 500=0,61028, 1000=0,50779 (USD)", RoHS=Yes, RoHS Compliant=Yes, Stock 1=56211, Supplier 1=Digi-Key, Time Format="HH:MM:SS (12/24 hr)"
IC18: library part USB2517-JZX-TR_USB_HUB, Manufacturer=Microchip, Manufacturer Part Number 1=USB2517-JZX-TR, Max Operating Temperature=70°C, Min Operating Temperature=0°C, Operating Supply Current=130mA, Package Quantity=3000, Supplier Part Number 1=USB2517-JZX-CT-ND, ComponentLink1Description=https://datasheet.ciiva.com/29644/2517-29644802.pdf?src-supplier=Digi-Key, ComponentLink1URL=https://datasheet.ciiva.com/29644/2517-29644802.pdf?src-supplier=Digi-Key, Interface=USB, Lead Free="Lead Free", Packaging="Tape and Reel", Part Description="USB Hub Controller USB 2.0 USB Interface 64-QFN (9x9)", Pricing 1="1=5,72000, 25=5,55000 (USD)", RoHS=Yes, RoHS Compliant=Yes, Stock 1=26622, Supplier 1=Digi-Key
IC19: Base Part Number=FSUSB42, Manufacturer="ON Semiconductor", On-State Resistance (Max)="6.5 Ohm", Operating Temperature="-40°C ~ 85°C (TA)", Package / Case=10-UFQFN, Supplier Device Package="10-UMLP (1.8x1.4)", Supplier Part Number 1=FSUSB42UMXCT-ND, Voltage - Supply, Dual (V±)=-, Voltage - Supply, Single (V+)="2.4 V ~ 4.4 V", -3db Bandwidth=720MHz, Applications=USB, Category="Integrated Circuits (ICs)", ComponentLink1Description=https://www.fairchildsemi.com/datasheets/FS/FSUSB42.pdf, ComponentLink1URL=https://www.fairchildsemi.com/datasheets/FS/FSUSB42.pdf, Features="Break-Before-Make, USB 2.0", Manufacturer Part Number 1=FSUSB42UMX, Multiplexer/Demultiplexer Circuit=-, Packaging="Cut Tape (CT)", Part Description="USB Switch IC 1 Channel 10-UMLP (1.8x1.4)", Part Status=Active, Pricing 1="1=0.59, 10=0.502, 100=0.3749, 500=0.29458, 1000=0.22763 (USD)", RoHS="RoHS Compliant", Stock 1=8344, Supplier 1=Digi-Key, Switch Circuit=DPDT